# Altium PCB PCB1.PcbDoc
Units mm, origin at the board's own origin, x right, y up, seen from the top; angles counter-clockwise.
Board outline 96.5 x 60 mm, 2 copper layers (Top Layer, Bottom Layer); 53 components, 124 nets, 353 pads, 0 vias.
Unrouted connection lines stored in the file: 206.
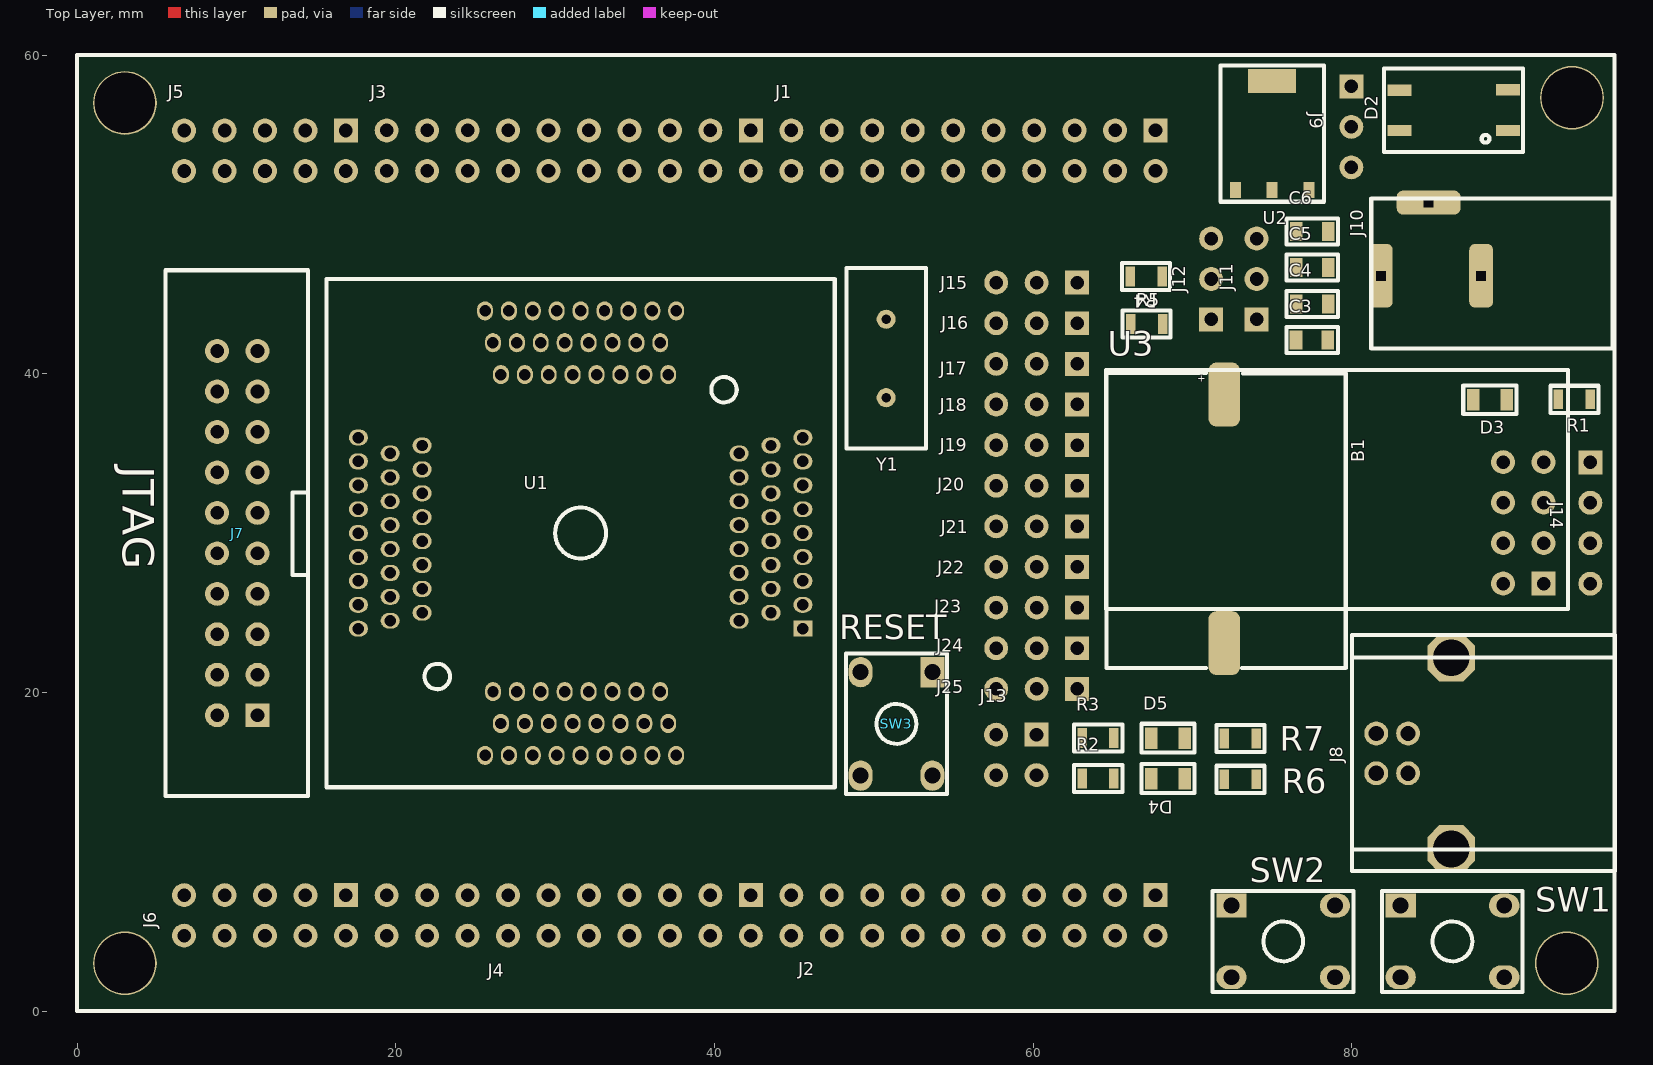
[diagram p0: Top Layer view]
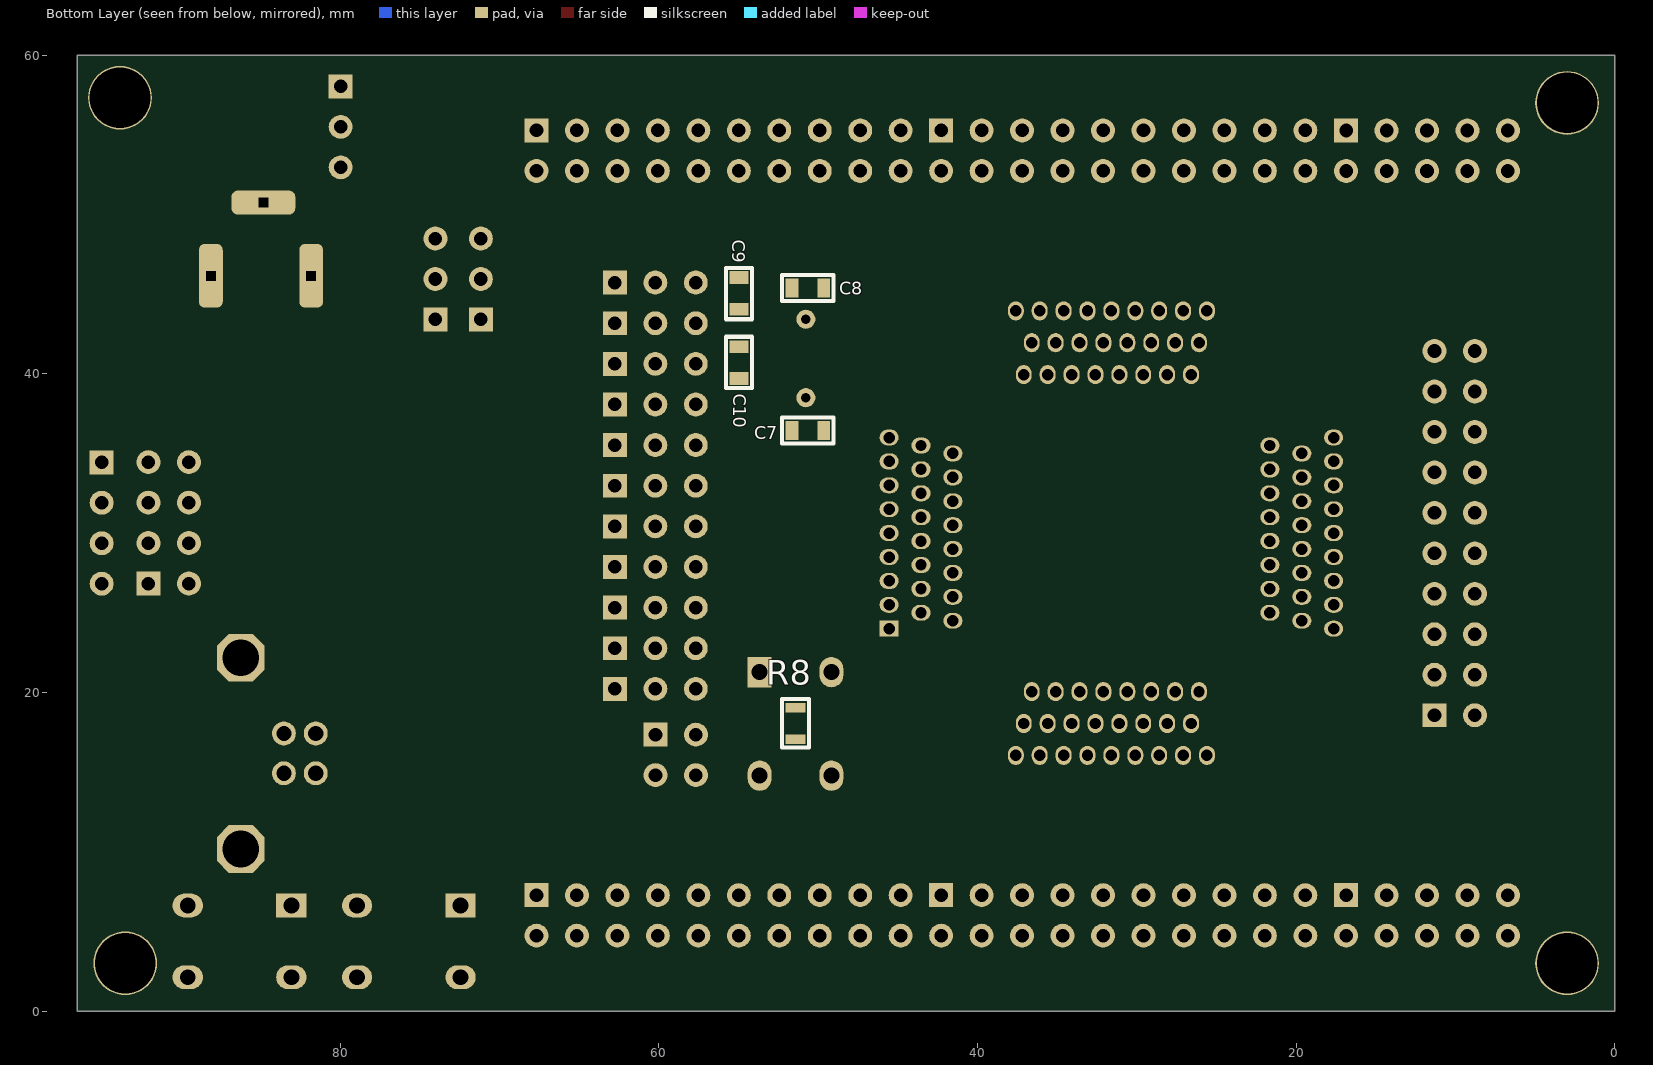
[diagram p1: Bottom Layer view, seen from below]

## Layer stack, top to bottom
Top Solder: solder mask 0.0102, Solder Resist, Dk 3.5
Top Layer: signal copper 0.0356
Dielectric 1: dielectric 0.32, FR-4, Dk 4.8
Bottom Layer: signal copper 0.0356
Bottom Solder: solder mask 0.0102, Solder Resist, Dk 3.5

## Board outline
0,0 0,60 96.5,60 96.5,0

## Design rules (kind name [scope] priority, off if disabled: settings)
Clearance [All] p1: gap=0.254 ignorepadtopadclearanceinfootprint=FALSE except(0: Arc-Hole Track-Hole SMDPad-Hole THPad-Hole Via-Hole Fill-Hole Poly-Hole Region-Hole Text-Hole)
PolygonConnect [All] p1: connectstyle=Relief reliefconductorwidth=0.254 reliefentries=4 polygonreliefangle="90 Angle" airgapwidth=0.254
RoutingCorners [All] p1: cornerstyle=45-Degree minsetback=2 maxsetback=2
RoutingVias [All] p1: holewidth=0.2 width=0.5 viastyle="Through Hole" minholewidth=0.2 minwidth=0.5 maxholewidth=0.2 maxwidth=0.5
SolderMaskExpansion [All] p1: expansion=0.102
Width [All] p1: maxlimit=0.254 minlimit=0.2 preferedwidth=0.2
29 further rules are at their usual default settings.

## Components (designator, comment, footprint, x,y, rotation, side; value= is the part's Value field where it differs from the comment)
B1 "Batery" CR1220 72,30.9 r180 top
C3 "102pF" C0805 77.5,42.125 r0 top
C4 "103pF" C0805 77.525,44.375 r180 top
C5 "104pF" C0805 77.525,46.675 r180 top
C6 "33pF" C0805 77.525,48.925 r180 top
C7 "102pF" C0805 50.65,36.45 r0 bottom
C8 "102pF" C0805 50.65,45.375 r0 bottom
C9 "102pF" C0805 54.975,45.05 r270 bottom
C10 "102pF" C0805 54.975,40.7 r90 bottom
D2 "MB2S" TO-269AA 86.4,56.55 r180 top
D3 "LED0805" L0805RED 88.675,38.375 r180 top
D4 "LED0805" L0805RED 68.47,14.595 r0 top
D5 "LED0805" L0805RED 68.47,17.135 r0 top
J1 "Header 10x2 TH Pitch 2.54mm" "Header 10x2 TH Pitch 2.54mm" 56.255,54.005 r270 top
J2 "Header 10x2 TH Pitch 2.54mm" "Header 10x2 TH Pitch 2.54mm" 56.255,6.005 r270 top
J3 "Header 10x2 TH Pitch 2.54mm" "Header 10x2 TH Pitch 2.54mm" 30.855,54.005 r270 top
J4 "Header 10x2 TH Pitch 2.54mm" "Header 10x2 TH Pitch 2.54mm" 30.855,6.005 r270 top
J5 "Header 5x2 TH Pitch 2.54mm" "Header 5x2 TH Pitch 2.54mm" 11.79,54 r270 top
J6 "Header 5x2 TH Pitch 2.54mm" "Header 5x2 TH Pitch 2.54mm" 11.79,6.005 r270 top
J7 "JTAG" IDC_CONNECTOR_20_2.54 10.05,30 r180 top
J8 "USB B Type" USB-B-TYPE 82.54,16.175 r180 top
J9 "Header 3x1 TH Pitch 2.54mm" "Header 3x1 TH Pitch 2.54mm" 79.975,55.5 r270 top
J10 "Connector" JACK-DC 95.625,46.15 r90 top
J11 "Header 3x1 TH Pitch 2.54mm" "Header 3x1 TH Pitch 2.54mm" 74.025,45.95 r90 top
J12 "Header 3x1 TH Pitch 2.54mm" "Header 3x1 TH Pitch 2.54mm" 71.175,45.95 r90 top
J13 "Header 2x2 TH Pitch 2.54mm" "Header 2x2 TH Pitch 2.54mm" 58.945,16.08 r270 top
J14 "UART1" "Header 4x1 TH Pitch 2.54mm" 94.975,30.635 r270 top
J15 "Header 3x1 TH Pitch 2.54mm" "Header 3x1 TH Pitch 2.54mm" 60.225,45.725 r180 top
J16 "Header 3x1 TH Pitch 2.54mm" "Header 3x1 TH Pitch 2.54mm" 60.225,43.175 r180 top
J17 "Header 3x1 TH Pitch 2.54mm" "Header 3x1 TH Pitch 2.54mm" 60.225,40.625 r180 top
J18 "Header 3x1 TH Pitch 2.54mm" "Header 3x1 TH Pitch 2.54mm" 60.225,38.075 r180 top
J19 "Header 3x1 TH Pitch 2.54mm" "Header 3x1 TH Pitch 2.54mm" 60.225,35.525 r180 top
J20 "Header 3x1 TH Pitch 2.54mm" "Header 3x1 TH Pitch 2.54mm" 60.225,32.975 r180 top
J21 "Header 3x1 TH Pitch 2.54mm" "Header 3x1 TH Pitch 2.54mm" 60.225,30.425 r180 top
J22 "Header 3x1 TH Pitch 2.54mm" "Header 3x1 TH Pitch 2.54mm" 60.225,27.875 r180 top
J23 "Header 3x1 TH Pitch 2.54mm" "Header 3x1 TH Pitch 2.54mm" 60.225,25.325 r180 top
J24 "Header 3x1 TH Pitch 2.54mm" "Header 3x1 TH Pitch 2.54mm" 60.225,22.775 r180 top
J25 "Header 3x1 TH Pitch 2.54mm" "Header 3x1 TH Pitch 2.54mm" 60.225,20.225 r180 top
R1 "10k" R0805 93.975,38.4 r180 top
R2 "10k" R0805 64.075,14.595 r180 top
R3 "10k" R0805 64.075,17.135 r180 top
R4 "10k" R0805 67.1,46.1 r0 top
R5 "10k" R0805 67.125,43.125 r0 top
R6 "10k" R0805 73,14.55 r180 top
R7 "10k" R0805 73,17.11 r180 top
R8 "10k" R0805 51.425,18.05 r270 bottom
SW1 "Button Hole" BUTTON_HOLE_5.0mm 86.325,4.375 r90 top
SW2 "Button Hole" BUTTON_HOLE_5.0mm 75.7,4.375 r90 top
SW3 "RESET" BUTTON_HOLE_5.0mm 51.425,18.025 r0 top
U1 "ENPLAS OTQ-100-0.5-12" "ENPLAS OTQ-100-0.5-12-00 IC SOCKET" 31.6,30 r0 top
U2 "AMS1117" SOT223-3 75,55 r0 top
U3 "nRF24L01" nRF24L01 90.77,30.645 r0 top
Y1 "8MHz" HC-49_THROUGH 50.775,40.975 r90 top

## Footprints (in the part's own frame and the unit in brackets; to place one, negate y for a bottom-side part, rotate by r counter-clockwise, add the part's x,y. Pads: shape width x height; smd on the part's side, far side on the other; paste and mask are expansions set on the pad)
BUTTON_HOLE_5.0mm [mm]
  rect 1.5x1.9 hole 1: 1(2.25,3.25)
  oval 1.5x1.9 hole 1: 2(2.25,-3.25) 3(-2.25,3.25) 4(-2.25,-3.25)
  silkscreen extent -3.18,-4.4 3.17,4.43, body extent -3,-3.86 3,3.86, height 5
C0805 [mm]
  rect 0.8x1.2 smd: 1(-1,0) 2(1,0)
  silkscreen extent -1.6,-0.81 1.63,0.81, body extent -1,-0.63 1,0.63, height 0.58
CR1220 [mm]
  rrect50% 2x4 smd: 1(0,-7.8) 2(0,7.8)
  silkscreen extent -7.63,-9.15 7.4,9.37, body extent -7.62,-9.1 7.37,9.4, height 4.04
"ENPLAS OTQ-100-0.5-12-00 IC SOCKET" [mm]
  rect 1.2x1 hole 0.72: 1(13.95,-6)
  oval 1.2x1 hole 0.72: 2(9.95,-5.5) 3(11.95,-5) 4(13.95,-4.5) 5(9.95,-4) 6(11.95,-3.5) 7(13.95,-3) 8(9.95,-2.5) 9(11.95,-2) 10(13.95,-1.5) 11(9.95,-1) 12(11.95,-0.5) 13(13.95,0) 14(9.95,0.5) 15(11.95,1) 16(13.95,1.5) 17(9.95,2) 18(11.95,2.5) 19(13.95,3) 20(9.95,3.5) 21(11.95,4) 22(13.95,4.5) 23(9.95,5) 24(11.95,5.5) 25(13.95,6) 51(-13.95,6) 52(-9.95,5.5) 53(-11.95,5) 54(-13.95,4.5) 55(-9.95,4) 56(-11.95,3.5) 57(-13.95,3) 58(-9.95,2.5) 59(-11.95,2) 60(-13.95,1.5) 61(-9.95,1) 62(-11.95,0.5) 63(-13.95,0) 64(-9.95,-0.5) 65(-11.95,-1) 66(-13.95,-1.5) 67(-9.95,-2) 68(-11.95,-2.5) 69(-13.95,-3) 70(-9.95,-3.5) 71(-11.95,-4) 72(-13.95,-4.5) 73(-9.95,-5) 74(-11.95,-5.5) 75(-13.95,-6)
  oval 1x1.2 hole 0.72: 26(6,13.95) 27(5.5,9.95) 28(5,11.95) 29(4.5,13.95) 30(4,9.95) 31(3.5,11.95) 32(3,13.95) 33(2.5,9.95) 34(2,11.95) 35(1.5,13.95) 36(1,9.95) 37(0.5,11.95) 38(0,13.95) 39(-0.5,9.95) 40(-1,11.95) 41(-1.5,13.95) 42(-2,9.95) 43(-2.5,11.95) 44(-3,13.95) 45(-3.5,9.95) 46(-4,11.95) 47(-4.5,13.95) 48(-5,9.95) 49(-5.5,11.95) 50(-6,13.95) 76(-6,-13.95) 77(-5.5,-9.95) 78(-5,-11.95) 79(-4.5,-13.95) 80(-4,-9.95) 81(-3.5,-11.95) 82(-3,-13.95) 83(-2.5,-9.95) 84(-2,-11.95) 85(-1.5,-13.95) 86(-1,-9.95) 87(-0.5,-11.95) 88(0,-13.95) 89(0.5,-9.95) 90(1,-11.95) 91(1.5,-13.95) 92(2,-9.95) 93(2.5,-11.95) 94(3,-13.95) 95(3.5,-9.95) 96(4,-11.95) 97(4.5,-13.95) 98(5,-9.95) 99(5.5,-11.95) 100(6,-13.95)
  silkscreen extent -15.95,-15.95 15.95,15.95
HC-49_THROUGH [mm]
  round 1.2 hole 0.6: 1(-2.475,0) 2(2.45,0)
  silkscreen extent -5.67,-2.5 5.68,2.5, body extent -5.67,-2.5 5.68,2.5, height 3.68
"Header 2x2 TH Pitch 2.54mm" [mm]
  rect 1.5x1.5 hole 0.85: 1(-1.27,1.27)
  round 1.5 hole 0.85: 2(1.27,1.27) 3(-1.27,-1.27) 4(1.27,-1.27)
  body extent -2.54,-2.54 2.54,2.54, height 8.89
"Header 3x1 TH Pitch 2.54mm" [mm]
  rect 1.5x1.5 hole 0.85: 1(-2.54,0)
  round 1.5 hole 0.85: 2(0,0) 3(2.54,0)
  body extent -3.81,-1.27 3.81,1.27, height 8.89
"Header 4x1 TH Pitch 2.54mm" [mm]
  rect 1.5x1.5 hole 0.85: 1(-3.81,0)
  round 1.5 hole 0.85: 2(-1.27,0) 3(1.27,0) 4(3.81,0)
  body extent -5.08,-1.27 5.08,1.27, height 8.89
"Header 5x2 TH Pitch 2.54mm" [mm]
  rect 1.5x1.5 hole 0.85: 1(-1.27,5.08)
  round 1.5 hole 0.85: 2(1.27,5.08) 3(-1.27,2.54) 4(1.27,2.54) 5(-1.27,0) 6(1.27,0) 7(-1.27,-2.54) 8(1.27,-2.54) 9(-1.27,-5.08) 10(1.27,-5.08)
  body extent -2.54,-6.35 2.54,6.35, height 8.89
"Header 10x2 TH Pitch 2.54mm" [mm]
  rect 1.5x1.5 hole 0.85: 1(-1.27,11.43)
  round 1.5 hole 0.85: 2(1.27,11.43) 3(-1.27,8.89) 4(1.27,8.89) 5(-1.27,6.35) 6(1.27,6.35) 7(-1.27,3.81) 8(1.27,3.81) 9(-1.27,1.27) 10(1.27,1.27) 11(-1.27,-1.27) 12(1.27,-1.27) 13(-1.27,-3.81) 14(1.27,-3.81) 15(-1.27,-6.35) 16(1.27,-6.35) 17(-1.27,-8.89) 18(1.27,-8.89) 19(-1.27,-11.43) 20(1.27,-11.43)
  body extent -2.54,-12.7 2.54,12.7, height 8.89
IDC_CONNECTOR_20_2.54 [mm]
  rect 1.5x1.5 hole 0.85: 1(-1.27,11.43)
  round 1.5 hole 0.85: 2(1.27,11.43) 3(-1.27,8.89) 4(1.27,8.89) 5(-1.27,6.35) 6(1.27,6.35) 7(-1.27,3.81) 8(1.27,3.81) 9(-1.27,1.27) 10(1.27,1.27) 11(-1.27,-1.27) 12(1.27,-1.27) 13(-1.27,-3.81) 14(1.27,-3.81) 15(-1.27,-6.35) 16(1.27,-6.35) 17(-1.27,-8.89) 18(1.27,-8.89) 19(-1.27,-11.43) 20(1.27,-11.43)
  silkscreen extent -4.45,-16.5 4.5,16.5, body extent -4.47,-16.6 4.42,16.6, height 9
JACK-DC [mm]
  rrect50% 1.5x4 hole 0.6 square: 1(4.6,10.8)
  rrect50% 4x1.5 hole 0.6 square: 2(0,7.5) 3(0,13.8)
  silkscreen extent -4.55,-0.75 4.85,14.4, body extent -4.55,-0.78 4.85,14.43, height 11
L0805RED [mm]
  rect 0.8x1.35 smd: 1(-1.05,0) 2(1.05,0)
  silkscreen extent -1.67,-0.9 1.68,0.9, body extent -1.05,-0.67 1.05,0.68, height 0.9
nRF24L01 [mm]
  rect 1.5x1.5 hole 0.85: 1(1.27,-3.81)
  round 1.5 hole 0.85: 2(-1.27,-3.81) 3(1.27,-1.27) 4(-1.27,-1.27) 5(1.27,1.27) 6(-1.27,1.27) 7(1.27,3.81) 8(-1.27,3.81)
  silkscreen extent -26.2,-5.4 2.8,9.6, body extent -26.2,-5.4 2.8,9.6, height 11.02
R0805 [mm]
  rect 0.6x1.24 smd: 1(-1,0) 2(1,0)
  silkscreen extent -1.53,-0.85 1.5,0.85, body extent -1,-0.62 1,0.63, height 0.45
SOT223-3 [mm]
  rect 0.7x1 smd: 1(-2.3,-3.475) 2(0,-3.45) 3(2.325,-3.45)
  rect 3x1.5 smd: 2(0,3.375)
  silkscreen extent -3.25,-4.2 3.25,4.35, body extent -3.25,-3.5 3.25,3.5, height 1.7
TO-269AA [mm]
  rect 1.5x0.7 smd: 1(-3.4,1.275) 2(-3.4,-1.275) 3(3.4,-1.25) 4(3.4,1.275)
  silkscreen extent -4.34,-2.62 4.37,2.62, body extent -3.52,-2.47 3.52,2.47, height 2.7
USB-B-TYPE [mm]
  round 1.5 hole 0.95: 1(1,-1.25) 2(1,1.25) 3(-1,1.25) 4(-1,-1.25)
  oct 3x3 hole 2.3: S1(-3.71,6) S2(-3.71,-6)
  silkscreen extent -13.98,-7.42 2.52,7.37, body extent -13.97,-7.42 2.53,7.37, height 11

## Part data
C3 C4 C5 C6 C7 C8 C9 C10: library part Capacitors(SMD)
D2: library part "Diode MB2S"
J7: library part IDC_2.54_10x2
J10: library part JackDC
J14: library part "Header 4x1 TH Pitch 2.54mm"
R1 R2 R3 R4 R5 R6 R7 R8: library part "Resistor SMD"
SW3: library part "Button Hole"
U1: library part "ENPLAS OTQ-100-0.5-12-00 IC SOCKET"
U2: library part AMS1117(SOT-223)
Y1: library part Crystal

## Free pads (board coordinates)
  round 4 hole 3.8: 2(3,3) 2(3,57) 2(93.5,3) 2(93.825,57.325)

## Nets (pads, with @x,y where several pads share a name; then routed paths per layer and width w, separated by ;. In a path a pad name is that pad's centre, name@x,y a point inside that pad or via, vN(x,y) a via of type N, cw(c..) or ccw(c..) an arc to the next point about the centre after c; other vN are vias at no path point)
+5: D2.3 J9.1
BOOT0: J23.3 R4.1
BOOT1: J22.3 R5.1
GND: B1.2 C3.1 C3.2 C4.1 C4.2 C5.1 C5.2 C6.1 C6.2 C7.2 C8.2 C9.2 C10.2 D2.4 D3.2 D4.2 D5.2 J1.6 J2.1 J2.2 J2.3 J5.3 J5.8 J5.10 J7.1 J7.2 J7.4 J7.6 J7.8 J7.10 J7.12 J7.14 J7.16 J7.18 J7.20 J8.4 J8.S1 J8.S2 J11.1 J11.3 J12.1 J12.3 J14.1 J14.4 J15.1 J16.1 J17.1 J19.1 J20.1 J21.1 R1.1 R6.2 R7.2 R8.2 SW1.3 SW2.3 SW3.4 U1.22 U1.28 U1.50 U1.74 U1.75 U1.100 U2.1 U2.2
NetB1_1: B1.1 U1.6
NetC7_1: C7.1 J24.3 Y1.1
NetC8_1: C8.1 J25.1 Y1.2
NetC9_1: C9.1 J17.3
NetC10_1: C10.1 J18.3
NetD2_1: D2.1 J10.3
NetD2_2: D2.2 J10.2
NetD3_1: D3.1 R1.2
NetD4_1: D4.1 R2.1
NetD5_1: D5.1 R3.1
NetJ8_1: J8.1 J9.3
NetJ9_2: J9.2 U2.3
NetJ11_2: J11.2 R4.2
NetJ12_2: J12.2 R5.2
NetJ13_2: J13.2 R3.2
NetJ13_4: J13.4 R2.2
NetJ22_2: J22.2 U1.37
NetJ23_2: J23.2 U1.94
NetR8_1: R8.1 SW3.1
PIN01: J1.1 U1.1
PIN02: J1.3 U1.2
PIN03: J1.5 U1.3
PIN04: J1.7 U1.4
PIN05: J1.9 U1.5
PIN07: J1.13 U1.7
PIN08: J1.15 U1.8
PIN09: J1.17 U1.9
PIN10: J1.19 U1.10
PIN11: J3.1 U1.11
PIN12: J3.3 J24.1
PIN12_D: J24.2 U1.12
PIN13: J3.5 J25.3
PIN13_D: J25.2 U1.13
PIN14: J3.7 J7.15 U1.14
PIN15: J3.9 U1.15
PIN16: J3.11 U1.16
PIN17: J3.13 U1.17
PIN18: J3.15 U1.18
PIN19: J3.17 J15.3
PIN19_D: J15.2 U1.19
PIN20: J3.19 J16.3
PIN20_D: J16.2 U1.20
PIN21: J5.1 J19.3
PIN21_D: J19.2 U1.21
PIN23: J5.5 U1.23
PIN24: J5.7 U1.24
PIN25: J5.9 U1.25
PIN26: J1.2 U1.26
PIN27: J1.4 J20.3
PIN27_D: J20.2 U1.27
PIN29: J1.8 U1.29
PIN30: J1.10 U1.30
PIN31: J1.12 U1.31
PIN32: J1.14 U1.32
PIN33: J1.16 U1.33
PIN34: J1.18 U1.34
PIN35: J1.20 U1.35
PIN36: J3.2 U1.36
PIN37: J3.4 J22.1
PIN38: J3.6 U1.38
PIN39: J3.8 U1.39
PIN40: J3.10 U1.40
PIN41: J3.12 U1.41
PIN42: J3.14 U1.42
PIN43: J3.16 U1.43
PIN44: J3.18 U1.44
PIN45: J3.20 U1.45
PIN46: J5.2 U1.46
PIN47: J5.4 U1.47
PIN48: J5.6 U1.48
PIN49_D: J17.2 U1.49
PIN51: J6.9 J13.1 U1.51
PIN52: J6.7 J13.3 U1.52
PIN53: J6.5 U1.53
PIN54: J6.3 U1.54
PIN55: J6.1 U1.55
PIN56: J4.19 U1.56
PIN57: J4.17 U1.57
PIN58: J4.15 U1.58
PIN59: J4.13 U1.59
PIN60: J4.11 R7.1 SW2.1 U1.60
PIN61: J4.9 U1.61
PIN62: J4.7 U1.62
PIN63: J4.5 U1.63
PIN64: J4.3 U1.64
PIN65: J4.1 U1.65
PIN66: J2.19 U1.66
PIN67: J2.17 R6.1 SW1.1 U1.67
PIN68: J2.15 J14.2 U1.68
PIN69: J2.13 J14.3 U1.69
PIN70: J2.11 J8.2 U1.70
PIN71: J2.9 J8.3 U1.71
PIN72: J2.7 J7.7 U1.72
PIN73: J2.5 J18.1
PIN73_D: J18.2 U1.73
PIN76: J6.10 J7.9 U1.76
PIN77: J6.8 J7.5 U1.77
PIN78: J6.6 U1.78
PIN79: J6.4 U1.79
PIN80: J6.2 U1.80
PIN81: J4.20 U1.81
PIN82: J4.18 U1.82
PIN83: J4.16 U1.83
PIN84: J4.14 U1.84
PIN85: J4.12 U1.85
PIN86: J4.10 U1.86
PIN87: J4.8 U1.87
PIN88: J4.6 U1.88
PIN89: J4.4 J7.13 U1.89
PIN90: J4.2 J7.3 U1.90
PIN91: J2.20 U1.91
PIN92: J2.18 U1.92
PIN93: J2.16 U1.93
PIN94: J2.14 J23.1
PIN95: J2.12 U1.95
PIN96: J2.10 U1.96
PIN97: J2.8 U1.97
PIN98: J2.6 U1.98
PIN99: J2.4 J21.3
PIN99_D: J21.2 U1.99
pads on no net: J1.11 J7.11 J7.17 J7.19 J10.1 SW1.2 SW1.4 SW2.2 SW2.4 SW3.2 SW3.3 U3.1 U3.2 U3.3 U3.4 U3.5 U3.6 U3.7 U3.8

## Silkscreen, mask and mechanical layers (free items; w line width, h text height)
Top Overlay:
  the board outline again, w0.254

## Text inside footprints (layer, text, board x,y; h text height)
B1: Top Overlay "+" at 70.85,40.05 h0.8 r180